# Altium PCB ArtistV1.0.PcbDoc (part 1 of 2)
Units mil, origin at the board's own origin, x right, y up, seen from the top; angles counter-clockwise.
Board outline 3855.44 x 3150 mil, 2 copper layers (Top, Bottom); 115 components, 178 nets, 596 pads, 178 vias.
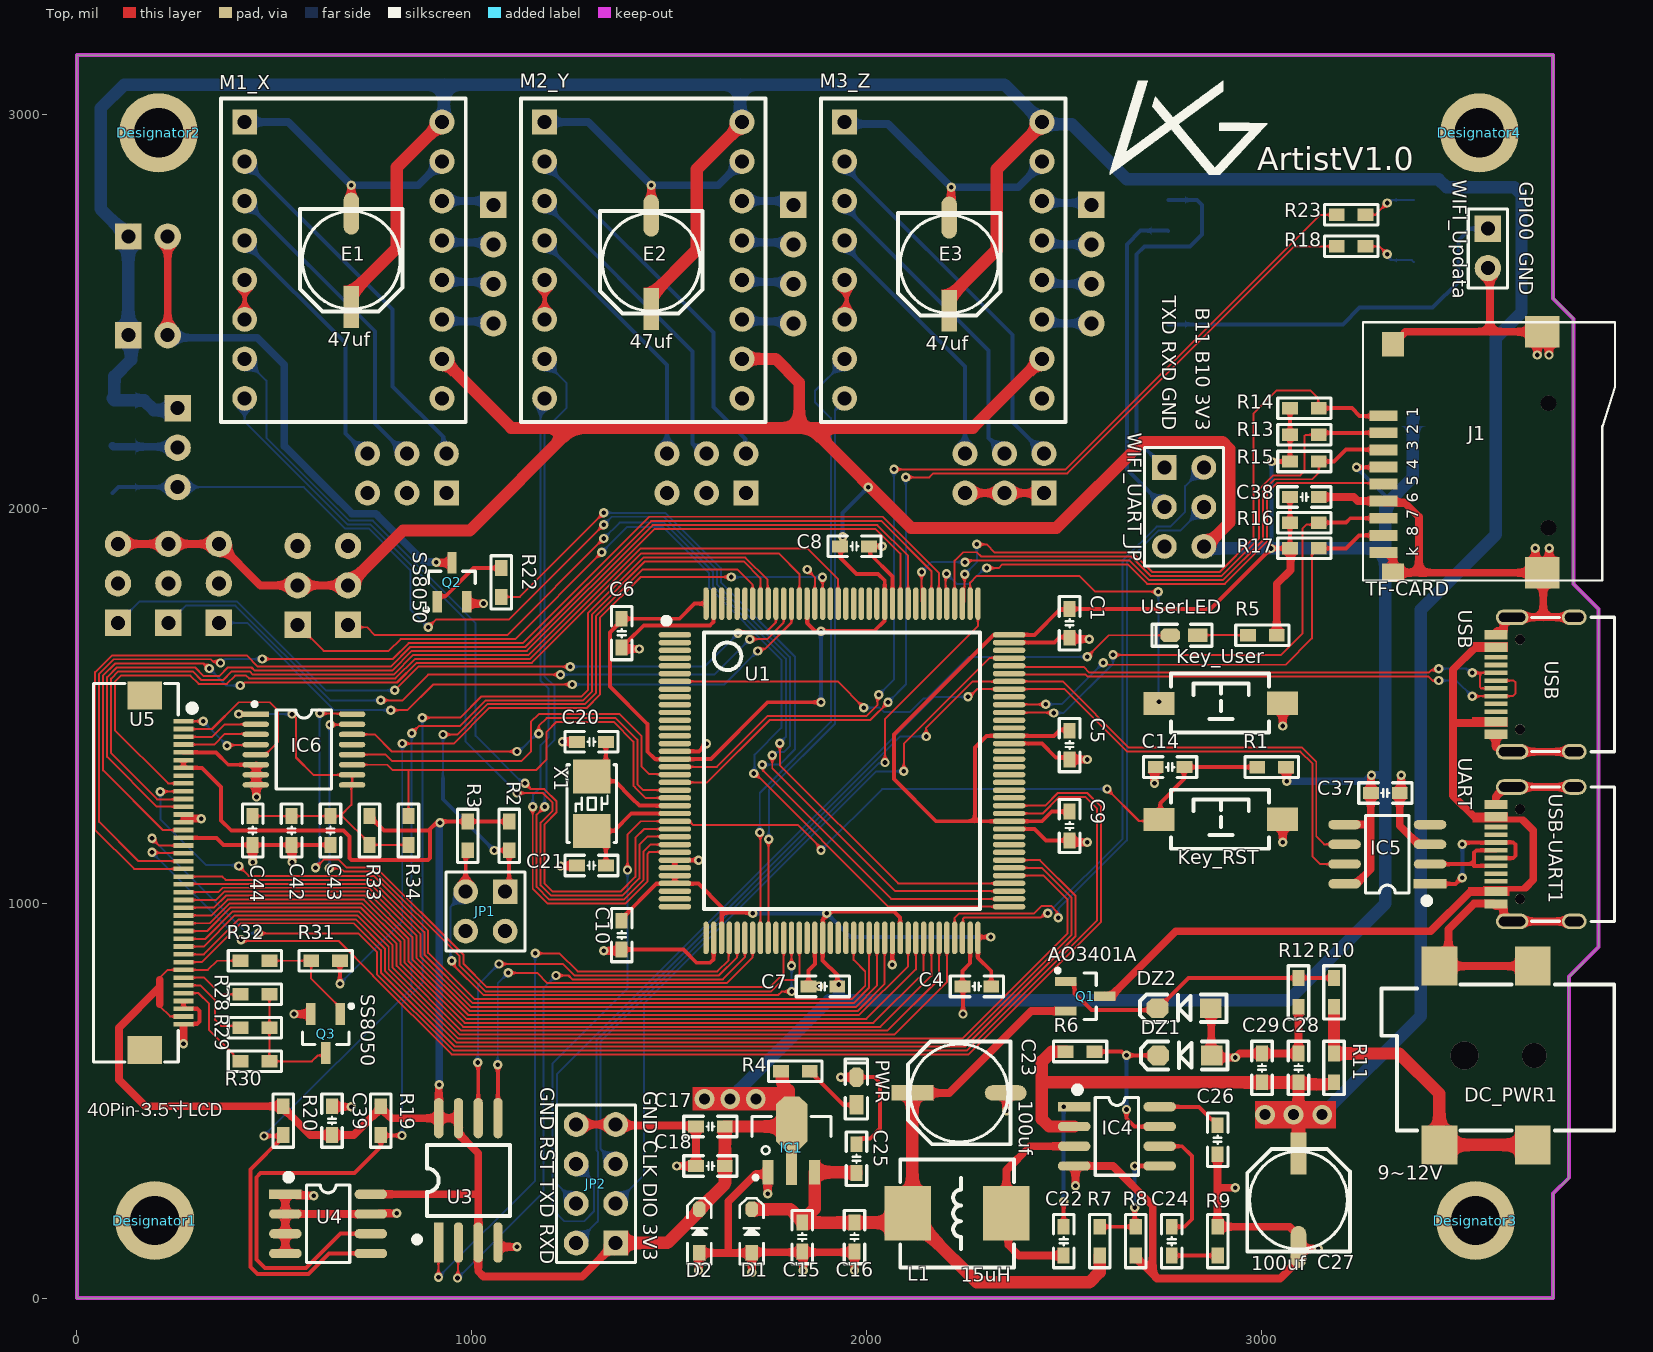
[diagram p0: Top view]
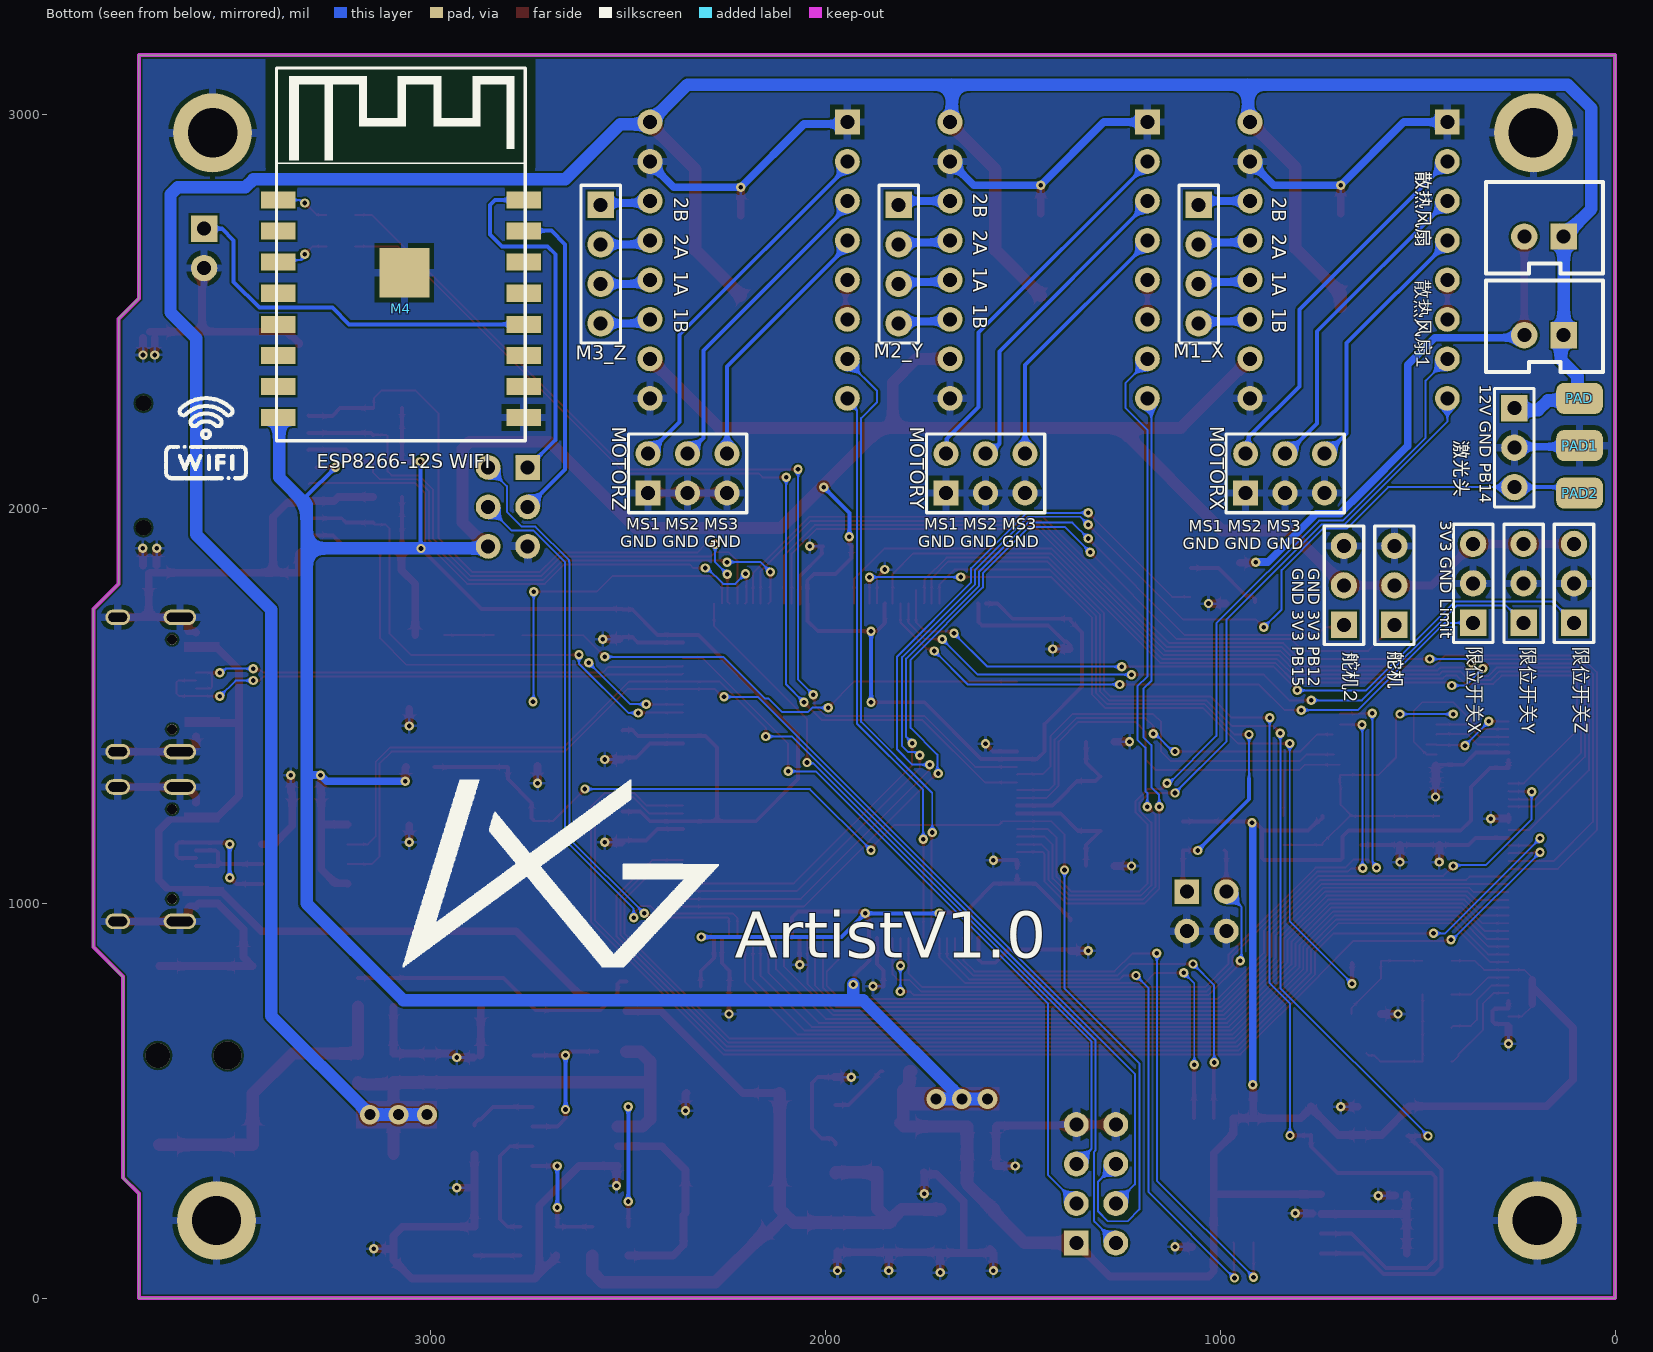
[diagram p1: Bottom view, seen from below]

## Layer stack, top to bottom
Top Solder: solder mask 0.3937, Solder Resist, Dk 3.5
Top: signal copper 1.4173
Dielectric 1: dielectric 12.5984, FR-4, Dk 4.8
Bottom: signal copper 1.4173
Bottom Solder: solder mask 0.3937, Solder Resist, Dk 3.5

## Board outline
0,0 0,3149.61 3740.16,3149.61 3740,3150 3740,2535 3740.35,2532.76 3791.7,2481.41 3791.7,1809.85 3855.44,1746.11 3855.44,889.98 3780.19,814.73 3780.19,305.19 3740,265 3740,0

## Design rules (kind name [scope] priority, off if disabled: settings)
Clearance [All] p1: gap=5 ignorepadtopadclearanceinfootprint=FALSE
PlaneClearance [All] p1: clearance=39.37
PlaneConnect PlaneConnect_1 [All] p1: planeconnectstyle=Relief reliefexpansion=20 reliefentries=4 reliefconductorwidth=10 reliefairgap=10
PolygonConnect [All] p1: thpad.connectstyle=Relief thpad.reliefconductorwidth=19.68 thpad.reliefentries=4 thpad.polygonreliefangle="90 Angle" thpad.airgapwidth=11.81 smdpad.connectstyle=Relief smdpad.reliefconductorwidth=19.68 smdpad.reliefentries=4 smdpad.polygonreliefangle="90 Angle" smdpad.airgapwidth=11.81 via.connectstyle=Relief via.reliefconductorwidth=7.87 via.reliefentries=4 via.polygonreliefangle="90 Angle" via.airgapwidth=7.87
RoutingVias [All] p1: holewidth=11.81 width=23.62 viastyle="Through Hole" minholewidth=11.81 minwidth=23.62 maxholewidth=28 maxwidth=118.11
SolderMaskExpansion [All] p1: expansion=4 istentingtop=FALSE
Width GND [InNetClass('GND')] p1: maxlimit=31.5 minlimit=5 preferedwidth=19.68
Width PWR [InNetClass('PWR')] p2: maxlimit=31.5 minlimit=5 preferedwidth=19.68
Width SINGAL [All] p3: maxlimit=10 minlimit=5 preferedwidth=5
28 further rules are at their usual default settings.

## Classes and differential pairs
net class PWR: 3V3 5V 5V_USB 12V 12V_IN FMC_3V3 NetC22_1 NetM1_11 NetM1_12 NetM1_13 NetM1_14 NetM2_11 NetM2_12 NetM2_13 NetM2_14 NetM3_11 NetM3_12 NetM3_13 NetM3_14
net class GND: FAN_GND GND
component class screen: C42 C43 C44 IC6 Q3 R28 R29 R30 R31 R32 R33 R34 U5
component class POWER: C1 C4 C5 C6 C7 C8 C9 C10 C15 C16 C17 C18 C22 C23 C24 C25 C26 C27 C28 C29 D1 D2 DC_PWR1 DZ1 DZ2 IC1 IC4 L1 Q1 R6 R7 R8 R9 R10 R11 R12
component class MOTORs: E1 E2 E3 M1_X M2_Y M3_Z MOTORX MOTORY MOTORZ PAD PAD1 PAD2 Q2 R22 散热风扇 散热风扇1 激光头 舵机 限位开关X 限位开关Y 限位开关Z
component class MCU: C14 C20 C21 JP1 Key_RST Key_User PWR R1 R2 R3 R4 R5 U1 UserLED X1
component class Interface: C37 C38 IC5 J1 JP2 R13 R14 R15 R16 R17 USB USB-UART1
component class IC: C39 R19 R20 U3 U4
component class ESP-12S: "GPIO0  GND" M4 R18 R23 WIFI_UART_JP

## Components (designator, comment, footprint, x,y, rotation, side; value= is the part's Value field where it differs from the comment)
C1 "0.1uF" "C 0603_M" 2515,1710 r90 top
C4 "0.1uF" "C 0603_M" 2280,790 r0 top
C5 "0.1uF" "C 0603_M" 2515,1401.5 r90 top
C6 "0.1uF" "C 0603_M" 1380,1685 r90 top
C7 "0.1uF" "C 0603_M" 1890,790 r0 top
C8 "0.1uF" "C 0603_M" 1970,1905 r180 top
C9 "0.1uF" "C 0603_M" 2515,1196.5 r90 top
C10 "0.1uF" "C 0603_M" 1380,920 r90 top
C14 "0.1uF" "C 0603_M" 2769.74,1345.72 r0 top
C15 "0.1uF" "C 0603_M" 1837.83,155 r270 top
C16 "10uF" "C 0603_M" 1970,155 r270 top
C17 "0.1uF" "C 0603_M" 1605,435 r180 top
C18 "10uF" "C 0603_M" 1605,335 r180 top
C20 "20pF" "C 0603_M" 1303.6,1409.51 r180 top
C21 "20pF" "C 0603_M" 1303.6,1096.42 r180 top
C22 "10nF" "C 0603_M" 2500,144.5 r90 top
C23 "100uF/16V" "CM D(6.3*5.4)" 2235,520 r180 top
C24 "3.3nF" "C 0603_M" 2773.75,144.5 r90 top
C25 "22uF" "C 0603_M" 1975,353.5 r270 top
C26 "0.1uF" "C 0603_M" 2890,401.5 r90 top
C27 "100uF/16V" "CM D(6.3*5.4)" 3095,248.26 r90 top
C28 "0.1uF" "C 0603_M" 3095,583.42 r270 top
C29 "10uF" "C 0603_M" 3002.5,583.42 r270 top
C37 "0.1uF" "C 0603_M" 3315,1280 r180 top
C38 "0.1uF" "C 0603_M" 3110,2030 r0 top
C39 "0.1uF" "C 0603_M" 646.31,450 r90 top
C42 "10uF" "C 0603_M" 543.75,1185 r90 top
C43 "0.1uF" "C 0603_M" 642.5,1185 r90 top
C44 "0.1uF" "C 0603_M" 445,1185 r270 top
D1 "CESD5V0D3/丝印ZA" SOD-323 1709.17,170 r90 top
D2 "CESD5V0D3/丝印ZA" SOD-323 1577,170 r90 top
DC_PWR1 "DC_050_5.5*2.1" DC-050 3515,615 r180 top
Designator1 "Comment" "M3 125X200"#1 -10,0 r0 top
Designator2 "Comment" "M3 125X200"#2 0,3149.61 r0 top locked
Designator3 "Comment" "M3 125X200"#3 3730.16,0 r0 top
Designator4 "Comment" "M3 125X200"#4 3740.16,3149.61 r0 top locked
DZ1 "MMSZ5231BT1G 丝印E1" SOD-123 2807.5,614.92 r180 top
DZ2 "MMSZ5231BT1G 丝印E1" SOD-123 2805,735 r180 top
E1 "47uF" "CM D(6.3*5.4)" 695,2630 r270 top
E2 "47uF" "CM D(6.3*5.4)" 1455,2625 r270 top
E3 "47uF" "CM D(6.3*5.4)" 2210,2620 r270 top
"GPIO0  GND" "HDR-1X2" HDR2.54-LI-2P 3575,2660 r270 top (schematic designator WIFI_Download_Con)
IC1 "CJA1117" SOT89_M 1810,400 r0 top
IC4 "MP2303" SOP8_M 2635,410 r0 top
IC5 "CH340N" SOP8_M 3320,1125 r180 top
IC6 "XTP2046" TSSOP16_M 575,1390 r0 top
J1 "MICRO SD CARD CONNECTOR" "Micro SD" 3728.39,2110 r90 top
JP1 "Header2X2" HDR2.54-LI-2x2P 1035,980 r180 top
JP2 "SWD&UART" HDR2.54-LI-2x4P 1315,290 r90 top
Key_RST "KEY-2P" "TSW SMD-3*6*2.5" 2898.92,1213.53 r0 top
Key_User "KEY-2P" "TSW SMD-3*6*2.5" 2898.92,1507.74 r0 top
L1 "15uH" L-SMD-0630 2230,215 r180 top
M1_X "HDR-1X4" HDR2.54-LI-4P 1055,2620 r270 bottom (schematic designator MOTOR_1JP)
M1_X "A4988" DRV8825 675,2630 r0 top (schematic designator M1)
M2_Y "HDR-1X4" HDR2.54-LI-4P 1815,2620 r270 bottom (schematic designator MOTOR_1)
M2_Y "A4988" DRV8825 1435,2630 r0 top (schematic designator M2)
M3_Z "HDR-1X4" HDR2.54-LI-4P 2570,2620 r270 bottom (schematic designator MOTOR_2)
M3_Z "A4988" DRV8825 2195,2630 r0 top (schematic designator M3)
M4 "ESP-12S Module" "ESP-12S Module" 3076.02,2506.89 r180 bottom
MOTORX "Header3X2" HDR2.54-LI-2x3P 836.06,2090 r180 bottom (schematic designator MOTOR1_MS)
MOTORY "Header3X2" HDR2.54-LI-2x3P 1595,2090 r180 bottom (schematic designator MOTOR1)
MOTORZ "Header3X2" HDR2.54-LI-2x3P 2350,2090 r180 bottom (schematic designator MOTOR2)
PAD "焊盘2mm*3mm" PAD-2mm*3mm 90,2280 r270 bottom
PAD1 "焊盘2mm*3mm" PAD-2mm*3mm 90,2160 r270 bottom
PAD2 "焊盘2mm*3mm" PAD-2mm*3mm 90,2040 r90 bottom
PWR "LED" "LED 0603R" 1975,525 r90 top
Q1 "AO3401A 丝印X1" SOT23-3M 2505,765 r270 top
Q2 "SS8050" SOT23-3M 950,1764.41 r0 top
Q3 "SS8050" SOT23-3M 630,720 r180 top
R1 "1K" "R 0603_M" 3027.07,1345.72 r180 top
R2 "10K" "R 0603_M" 1095,1171.5 r90 top
R3 "10K" "R 0603_M" 990,1171.5 r90 top
R4 "2K" "R 0603_M" 1820,575 r180 top
R5 "1K" "R 0603_M" 3003.5,1680 r0 top
R6 "4.7K" "R 0603_M" 2541.5,624.92 r180 top
R7 "27K" "R 0603_M" 2591.25,144.5 r90 top
R8 "5.1K" "R 0603_M" 2682.5,144.5 r90 top
R9 "10K" "R 0603_M" 2890,144.5 r270 top
R10 "4.7K" "R 0603_M" 3185,775 r270 top
R11 "0R" "R 0603_M" 3185,583.42 r270 top
R12 "10K" "R 0603_M" 3095,775 r90 top
R13 "10K" "R 0603_M" 3110,2187.5 r0 top
R14 "10K" "R 0603_M" 3110,2255 r0 top
R15 "10K" "R 0603_M" 3110,2120 r0 top
R16 "10K" "R 0603_M" 3110,1965 r0 top
R17 "10K" "R 0603_M" 3110,1900 r0 top
R18 "1K" "R 0603_M" 3228.5,2665 r180 top
R19 "4.7K" "R 0603_M" 770,450 r90 top
R20 "4.7K" "R 0603_M" 522.61,450 r90 top
R22 "1K" "R 0603_M" 1075,1813.5 r90 top
R23 "1K" "R 0603_M" 3228.5,2745 r180 top
R28 "10R" "R 0603_M" 450.97,770 r180 top
R29 "10R" "R 0603_M" 450.97,685 r180 top
R30 "10R" "R 0603_M" 450.97,600 r180 top
R31 "1K" "R 0603_M" 630,855 r180 top
R32 "10K" "R 0603_M" 450.97,855 r0 top
R33 "10R" "R 0603_M" 741.25,1185 r270 top
R34 "100K" "R 0603_M" 840,1185 r270 top
U1 "STM32F103ZE_ZGT6" "TQFP144 20x20_M" 1938.37,1336.42 r270 top
U3 "W25Q64" SOP8W_M 991.68,298.72 r90 top
U4 "AT24C04" SOP8_M 636.22,188.43 r0 top
U5 "3.5寸LCD裸屏接口 40PIN-0.5MM FPC" "FPC0.5 2H-WS-40P" 171.69,1077.99 r270 top
USB "Type-C" Type-C 3694.43,1555 r0 top
USB-UART1 "Type-C" Type-C 3694.43,1125 r0 top
UserLED "LED" "LED 0603B" 2805,1680 r180 top
WIFI_UART_JP "Header3X2" HDR2.54-LI-2x3P 2805,2005 r270 top
X1 "8MHz" "OSC 5032-2P" 1304.23,1253.01 r270 top
散热风扇 "HDR-1X2" XH2.54-LI-2P 180,2690 r0 bottom
散热风扇1 "HDR-1X2" XH2.54-LI-2P 180,2440 r0 bottom
激光头 "HDR-1X3" HDR2.54-LI-3P 255,2155 r270 bottom
舵机 "HDR-1X3" HDR2.54-LI-3P 558.94,1806.06 r90 bottom
舵机2 "HDR-1X3" HDR2.54-LI-3P 686.81,1806.06 r90 bottom
限位开关X "HDR-1X3" HDR2.54-LI-3P 359.68,1811.06 r90 bottom (schematic designator 限位开关)
限位开关Y "HDR-1X3" HDR2.54-LI-3P 231.81,1811.06 r90 bottom (schematic designator 限位开关1)
限位开关Z "HDR-1X3" HDR2.54-LI-3P 103.94,1811.06 r90 bottom (schematic designator 限位开关2)

## Footprints (in the part's own frame and the unit in brackets; to place one, negate y for a bottom-side part, rotate by r counter-clockwise, add the part's x,y. Pads: shape width x height; smd on the part's side, far side on the other; paste and mask are expansions set on the pad)
"C 0603_M" [mil] "无极性贴片电容"
  rect 40x30 smd: 1(-36.5,0) 2(36.5,0)
  silkscreen extent -68,-26 68,26, body extent -31,-16 31,16, height 32
"CM D(6.3*5.4)" [mm] "贴片电解电容，直径6.3mm，高5.4mm"
  rect 2.7x1 smd: 1(3,0)
  oval 2.7x1 smd: 2(-3,0)
  silkscreen extent -3.3,-3.3 3.3,3.3, body extent -3.5,-3.3 3.5,3.3, height 5.4
DC-050 [mm] "5.5*2.1"
  rect 2.3x2.5 smd: 1(-4.4,5.75) 1(1.6,5.75) 2(1.6,-5.75) 3(-4.4,-5.75)
  silkscreen extent -9.65,-4.57 5.33,4.83, body extent -9.5,-6.3 5.3,6.3, height 11
DRV8825 [mm] "长:20.5mm，宽:15.5mm，高:5mm"
  rect 1.6x1.6 hole 0.9: 1(-6.35,8.89)
  round 1.6 hole 0.9: 2(-6.35,6.35) 3(-6.35,3.81) 4(-6.35,1.27) 5(-6.35,-1.27) 6(-6.35,-3.81) 7(-6.35,-6.35) 8(-6.35,-8.89) 9(6.35,-8.89) 10(6.35,-6.35) 11(6.35,-3.81) 12(6.35,-1.27) 13(6.35,1.27) 14(6.35,3.81) 15(6.35,6.35) 16(6.35,8.89)
  silkscreen extent -7.87,-10.41 7.87,10.41, body extent -7.75,-10.25 7.75,10.25, height 5.71
"ESP-12S Module" [mm]
  rect 2.2x1.1 smd: 1(-7.9,7) 2(-7.9,5) 3(-7.9,3) 4(-7.9,1) 5(-7.9,-1) 6(-7.9,-3) 7(-7.9,-5) 8(-7.9,-7) 9(7.9,-7) 10(7.9,-5) 11(7.9,-3) 12(7.9,-1) 13(7.9,1) 14(7.9,3) 15(7.9,5) 16(7.9,7)
  rect 3.2x3.2 smd: 17(0.22,2.321)
  silkscreen extent -8,-8.5 8,15.5
"FPC0.5 2H-WS-40P" [mm] "长：24.2mm，宽：5.2mm，高：2mm"
  rect 1.8x2.2 smd: 0(-11.4,0) 0(11.4,0)
  rect 0.3x1.3 smd: 1(-9.75,2.497) 2(-9.25,2.497) 3(-8.75,2.497) 4(-8.25,2.497) 5(-7.75,2.497) 6(-7.25,2.497) 7(-6.75,2.497) 8(-6.25,2.497) 9(-5.75,2.497) 10(-5.25,2.497) 11(-4.75,2.497) 12(-4.25,2.497) 13(-3.75,2.497) 14(-3.25,2.497) 15(-2.75,2.497) 16(-2.25,2.497) 17(-1.75,2.497) 18(-1.25,2.497) 19(-0.75,2.497) 20(-0.25,2.497) 21(0.25,2.497) 22(0.75,2.497) 23(1.25,2.497) 24(1.75,2.497) 25(2.25,2.497) 26(2.75,2.497) 27(3.25,2.497) 28(3.75,2.497) 29(4.25,2.497) 30(4.75,2.497) 31(5.25,2.497) 32(5.75,2.497) 33(6.25,2.497) 34(6.75,2.497) 35(7.25,2.497) 36(7.75,2.497) 37(8.25,2.497) 38(8.75,2.497) 39(9.25,2.497) 40(9.75,2.497)
  silkscreen extent -12.17,-3.3 12.17,3.23, body extent -12.1,-3.15 12.1,2.85, height 2
HDR2.54-LI-2P [mm] "排针，2脚"
  rect 1.7x1.7 hole 0.9: 1(-1.27,0)
  round 1.7 hole 0.9: 2(1.27,0)
  silkscreen extent -2.54,-1.27 2.54,1.27, body extent -2.54,-1.27 2.54,1.27, height 8.5
HDR2.54-LI-2x2P [mm] "双排排针，2x2脚"
  rect 1.6x1.6 hole 0.9: 1(-1.27,-1.27)
  round 1.6 hole 0.9: 2(-1.27,1.27) 3(1.27,-1.27) 4(1.27,1.27)
  silkscreen extent -2.54,-2.54 2.54,2.54, body extent -2.54,-2.54 2.54,2.54, height 8.5
HDR2.54-LI-2x3P [mm] "双排排针，3x2脚"
  rect 1.6x1.6 hole 0.9: 1(-2.54,-1.27)
  round 1.6 hole 0.9: 2(-2.54,1.27) 3(0,-1.27) 4(0,1.27) 5(2.54,-1.27) 6(2.54,1.27)
  silkscreen extent -3.81,-2.54 3.81,2.54, body extent -3.81,-2.54 3.81,2.54, height 8.5
HDR2.54-LI-2x4P [mm] "双排排针，4x2脚"
  rect 1.6x1.6 hole 0.9: 1(-3.81,-1.27)
  round 1.6 hole 0.9: 2(-3.81,1.27) 3(-1.27,-1.27) 4(-1.27,1.27) 5(1.27,-1.27) 6(1.27,1.27) 7(3.81,-1.27) 8(3.81,1.27)
  silkscreen extent -5.08,-2.54 5.08,2.54, body extent -5.08,-2.54 5.08,2.54, height 8.5
HDR2.54-LI-3P [mm] "排针，3脚"
  rect 1.7x1.7 hole 0.9: 1(-2.54,0)
  round 1.7 hole 0.9: 2(0,0) 3(2.54,0)
  silkscreen extent -3.81,-1.27 3.81,1.27, body extent -3.81,-1.27 3.81,1.27, height 8.5
HDR2.54-LI-4P [mm] "排针，4脚"
  rect 1.7x1.7 hole 0.9: 1(-3.81,0)
  round 1.7 hole 0.9: 2(-1.27,0) 3(1.27,0) 4(3.81,0)
  silkscreen extent -5.08,-1.27 5.08,1.27, body extent -5.08,-1.27 5.08,1.27, height 8.5
L-SMD-0630 [mm] "一体化成型电感"
  rect 3x3.5 smd: 1(-3.175,0) 2(3.175,0)
  silkscreen extent -3.66,-3.48 3.66,3.48, body extent -3.47,-3.3 3.47,3.3, height 3.05
"LED 0603B" [mil] "蓝色0603LED"
  rect 50x35 smd: 1(-35,0.26)
  oct 50x35 smd: 2(35,0.26)
  silkscreen extent -71,-28 81,28, body extent -31,-16 32,16, height 24
"LED 0603R" [mil] "红色0603LED"
  rect 50x35 smd: 1(-35,0.26)
  oct 50x35 smd: 2(35,0.26)
  silkscreen extent -71,-28 81,28, body extent -31,-16 31,16, height 18
"M3 125X200"#1 [mm] "M3螺丝孔，孔125Mil，焊盘200Mil"
  round 5.08 hole 3.175: 1(5.254,5)
"M3 125X200"#2 [mm] "M3螺丝孔，孔125Mil，焊盘200Mil"
  round 5.08 hole 3.175: 1(5.254,-5)
"M3 125X200"#3 [mm] "M3螺丝孔，孔125Mil，焊盘200Mil"
  round 5.08 hole 3.175: 1(-4.746,5)
"M3 125X200"#4 [mm] "M3螺丝孔，孔125Mil，焊盘200Mil"
  round 5.08 hole 3.175: 1(-4.746,-5)
"Micro SD" [mm]
  round 1 hole 1 unplated: 0(-4,0) 0(4,0)
  rect 0.7x1.8 smd: 1(3.2,10.627) 2(2.1,10.627) 3(1,10.627) 4(-0.1,10.627) 5(-1.2,10.627) 6(-2.3,10.627) 7(-3.4,10.627) 8(-4.5,10.627) 9(-5.6,10.627)
  rect 1.2x1.4 smd: 10(-6.9,10)
  rect 1.6x1.4 smd: 11(7.8,10)
  rect 2.032x2.2 smd: 12(-6.9,0.4) 13(8.6,0.4)
  silkscreen extent -7.4,-4.28 9.2,11.94, body extent -7.26,-4.03 9.04,11.18, height 2.13
"OSC 5032-2P" [mm] "5mm*3.2mm*0.8mm(长*宽*高)"
  rect 2.2x2.4 smd: 1(-1.75,0) 2(1.75,0)
  silkscreen extent -2.5,-1.6 2.5,1.6, body extent -2.5,-1.6 2.5,1.6, height 0.86
PAD-2mm*3mm [mm] "焊盘 2mm*3mm"
  rrect50% 2x3 smd paste-222 mask+0.102: 1(0,0)
"R 0603_M" [mil] "1/10W贴片电阻"
  rect 40x31.5 smd: 1(-36.5,0) 2(36.5,0)
  silkscreen extent -68,-26 68,26, body extent -31,-16 32,16, height 16
SOD-123 [mil] "2.7x1.6X1.1mm（长宽高，不包括引脚）"
  rect 55x50 smd: 1(-67.5,0)
  oct 55x50 smd: 2(67.5,0)
  silkscreen extent -108,-35 112,35, body extent -73,-31 73,31, height 48
SOD-323 [mm] "1.8x1.3X0.9mm（长宽高，不包括引脚）"
  rect 1x0.8 smd: 1(-1.4,0)
  oct 1x0.8 smd: 2(1.4,0)
  silkscreen extent -2.11,-0.76 2.11,0.76, body extent -1.34,-0.63 1.31,0.67, height 1
SOP8_M [mm] "5*6*1.8mm（长宽高）"
  rect 2.1x0.6 smd: 1(-2.75,1.905)
  oval 2.1x0.6 smd: 2(-2.75,0.635) 3(-2.75,-0.635) 4(-2.75,-1.905) 5(2.75,-1.905) 6(2.75,-0.635) 7(2.75,0.635) 8(2.75,1.905)
  silkscreen extent -2.69,-2.5 1.4,3.15, body extent -3,-2.5 3,2.5, height 1.9
SOP8W_M [mm] "5.3*8.3*1.8mm（长宽高）"
  rect 2.6x0.6 smd: 1(-4,1.905)
  oval 2.6x0.6 smd: 2(-4,0.635) 3(-4,-0.635) 4(-4,-1.905) 5(4,-1.905) 6(4,-0.635) 7(4,0.635) 8(4,1.905)
  silkscreen extent -3.94,-2.67 2.29,3.43, body extent -3.94,-2.64 3.94,2.64, height 1.9
SOT23-3M [mm] "3x1.3x1mm(长宽高)"
  rect 0.6x1.4 smd: 1(-0.95,0) 2(0.95,0) 3(0,2.514)
  silkscreen extent -1.78,-0.63 1.5,1.97, body extent -1.5,0.07 1.5,2.47, height 1.05
SOT89_M [mm] "4.6x4.3x1.6mm(长宽高)"
  rect 0.7x1.6 smd: 1(-1.5,-2.054) 3(1.5,-2.054)
  rect 0.7x2.4 smd: 2(0,-1.676)
  oct 2x3.4 smd: 2(0.025,1.118)
  silkscreen extent -2.54,-2.52 2.54,1.52, body extent -2.3,-2.4 2.3,1.9, height 1.6
"TQFP144 20x20_M" [mm] "144脚，体宽：20x20mm, 脚距：0.5mm"
  oval 0.35x2.1 smd: 1(-8.75,-10.754) 2(-8.25,-10.754) 3(-7.75,-10.754) 4(-7.25,-10.754) 5(-6.75,-10.754) 6(-6.25,-10.754) 7(-5.75,-10.754) 8(-5.25,-10.754) 9(-4.75,-10.754) 10(-4.25,-10.754) 11(-3.75,-10.754) 12(-3.25,-10.754) 13(-2.75,-10.754) 14(-2.25,-10.754) 15(-1.75,-10.754) 16(-1.25,-10.754) 17(-0.75,-10.754) 18(-0.25,-10.754) 19(0.25,-10.754) 20(0.75,-10.754) 21(1.25,-10.754) 22(1.75,-10.754) 23(2.25,-10.754) 24(2.75,-10.754) 25(3.25,-10.754) 26(3.75,-10.754) 27(4.25,-10.754) 28(4.75,-10.754) 29(5.25,-10.754) 30(5.75,-10.754) 31(6.25,-10.754) 32(6.75,-10.754) 33(7.25,-10.754) 34(7.75,-10.754) 35(8.25,-10.754) 36(8.75,-10.754) 73(8.75,10.754) 74(8.25,10.754) 75(7.75,10.754) 76(7.25,10.754) 77(6.75,10.754) 78(6.25,10.754) 79(5.75,10.754) 80(5.25,10.754) 81(4.75,10.754) 82(4.25,10.754) 83(3.75,10.754) 84(3.25,10.754) 85(2.75,10.754) 86(2.25,10.754) 87(1.75,10.754) 88(1.25,10.754) 89(0.75,10.754) 90(0.25,10.754) 91(-0.25,10.754) 92(-0.75,10.754) 93(-1.25,10.754) 94(-1.75,10.754) 95(-2.25,10.754) 96(-2.75,10.754) 97(-3.25,10.754) 98(-3.75,10.754) 99(-4.25,10.754) 100(-4.75,10.754) 101(-5.25,10.754) 102(-5.75,10.754) 103(-6.25,10.754) 104(-6.75,10.754) 105(-7.25,10.754) 106(-7.75,10.754) 107(-8.25,10.754) 108(-8.75,10.754)
  oval 2.1x0.35 smd: 37(10.754,-8.75) 38(10.754,-8.25) 39(10.754,-7.75) 40(10.754,-7.25) 41(10.754,-6.75) 42(10.754,-6.25) 43(10.754,-5.75) 44(10.754,-5.25) 45(10.754,-4.75) 46(10.754,-4.25) 47(10.754,-3.75) 48(10.754,-3.25) 49(10.754,-2.75) 50(10.754,-2.25) 51(10.754,-1.75) 52(10.754,-1.25) 53(10.754,-0.75) 54(10.754,-0.25) 55(10.754,0.25) 56(10.754,0.75) 57(10.754,1.25) 58(10.754,1.75) 59(10.754,2.25) 60(10.754,2.75) 61(10.754,3.25) 62(10.754,3.75) 63(10.754,4.25) 64(10.754,4.75) 65(10.754,5.25) 66(10.754,5.75) 67(10.754,6.25) 68(10.754,6.75) 69(10.754,7.25) 70(10.754,7.75) 71(10.754,8.25) 72(10.754,8.75) 109(-10.754,8.75) 110(-10.754,8.25) 111(-10.754,7.75) 112(-10.754,7.25) 113(-10.754,6.75) 114(-10.754,6.25) 115(-10.754,5.75) 116(-10.754,5.25) 117(-10.754,4.75) 118(-10.754,4.25) 119(-10.754,3.75) 120(-10.754,3.25) 121(-10.754,2.75) 122(-10.754,2.25) 123(-10.754,1.75) 124(-10.754,1.25) 125(-10.754,0.75) 126(-10.754,0.25) 127(-10.754,-0.25) 128(-10.754,-0.75) 129(-10.754,-1.25) 130(-10.754,-1.75) 131(-10.754,-2.25) 132(-10.754,-2.75) 133(-10.754,-3.25) 134(-10.754,-3.75) 135(-10.754,-4.25) 136(-10.754,-4.75) 137(-10.754,-5.25) 138(-10.754,-5.75) 139(-10.754,-6.25) 140(-10.754,-6.75) 141(-10.754,-7.25) 142(-10.754,-7.75) 143(-10.754,-8.25) 144(-10.754,-8.75)
  silkscreen extent -9.78,-11.43 8.89,8.89, body extent -11,-11 11,11, height 1.05
TSSOP16_M [mm] "5*6.4*1mm（长宽高）"
  rect 1.7x0.35 smd: 1(-3.1,2.275)
  oval 1.7x0.35 smd: 2(-3.1,1.625) 3(-3.1,0.975) 4(-3.1,0.325) 5(-3.1,-0.325) 6(-3.1,-0.975) 7(-3.1,-1.625) 8(-3.1,-2.275) 9(3.1,-2.275) 10(3.1,-1.625) 11(3.1,-0.975) 12(3.1,-0.325) 13(3.1,0.325) 14(3.1,0.975) 15(3.1,1.625) 16(3.1,2.275)
  silkscreen extent -3.3,-2.54 1.78,3.05, body extent -3.2,-2.5 3.2,2.5, height 1.03
"TSW SMD-3*6*2.5" [mm] "3*6*2.5mm"
  rect 2x1.5 smd: 1(-3.996,-0.02) 2(3.937,0)
  silkscreen extent -3.21,-1.9 3.09,1.9, body extent -4,-1.88 4,1.62, height 2.59
Type-C [mm]
  round 0.65 hole 0.65: 0(-0.98,-2.89) 0(-0.98,2.89)
  oval 1.6x1 hole 0.6 slot 1.2 at 0 deg: 1(2.52,4.325) 2(2.52,-4.325)
  oval 2.1x1 hole 0.6 slot 1.7 at 0 deg: 3(-1.48,-4.325) 4(-1.48,4.325)
  rect 1.5x0.3 smd: A1(-2.52,-3.35) A4(-2.52,-2.55) A5(-2.52,-1.25) A6(-2.52,-0.25) A7(-2.52,0.25) A8(-2.52,1.25) A9(-2.52,2.55) A12(-2.52,3.35) B1(-2.52,3.05) B4(-2.52,2.25) B5(-2.52,1.75) B6(-2.52,0.75) B7(-2.52,-0.75) B8(-2.52,-1.75) B9(-2.52,-2.25) B12(-2.52,-3.05)
  silkscreen extent -0.22,-4.33 5.12,4.33, body extent -2.43,-4.53 5.32,4.42, height 3.32
XH2.54-LI-2P [mm] "接插件，2P"
  rect 1.7x1.7 hole 0.9: 1(-1.27,0)
  round 1.7 hole 0.9: 2(1.27,0)
  silkscreen extent -3.81,-3.51 3.74,2.37, body extent -3.77,-3.3 3.77,2.4, height 7.05

## Part data
C1 C4 C5 C6 C7 C8 C9 C10 C14 C15 C16 C17 C18 C20 C21 C38 C39: library part CAP, "Capacitor"
C22 C24 C25 C26 C28 C29 C37 C42 C43 C44: library part C, "无极性贴片电容", BOM名称=无极性贴片电容, 版权归属=源创客, 学习资源=www.ooocke.com
C23 C27 E1 E2 E3: library part C-CM, "贴片电解电容", BOM名称=贴片电解电容, 版权归属=源创客, 学习资源=www.ooocke.com
D1 D2: library part TVS
DC_PWR1: library part P-DC, "低压电源接口", BOM名称=DC电源接口, 版权归属=源创客, 学习资源=www.ooocke.com
DZ1 DZ2: library part 1N4625, "5.1V/0.5W稳压管", BOM名称=5.1V/0.5W稳压管, 版权归属=源创客, 学习资源=www.ooocke.com
"GPIO0  GND" 散热风扇 散热风扇1: library part "Header 2", "2P接插件", BOM名称=2P接插件, 版权归属=源创客, 学习资源=www.ooocke.com
IC5: "USB 转串口芯片 CH330/CH340N"
IC6: library part TSC2046IPW, "显示屏触摸驱动芯片", BOM名称=触摸驱动芯片, 版权归属=源创客, 学习资源=www.ooocke.com
J1: "Micro SD Card Connector"
JP1: library part "Header 2X2", "2*2P接插件", BOM名称=2*2P接插件, 版权归属=源创客, 学习资源=www.ooocke.com
JP2: library part "Header 4X2", "4*2P接插件", BOM名称=4*2P接插件, 版权归属=源创客, 学习资源=www.ooocke.com
Key_RST Key_User: "Key"
L1: library part L, "小功率贴片电感", BOM名称=小功率贴片电感, 版权归属=源创客, 学习资源=www.ooocke.com
M1_X M2_Y M3_Z: library part "Header 4", "4P接插件", BOM名称=4P接插件, 版权归属=源创客, 学习资源=www.ooocke.com
M1_X M2_Y M3_Z: library part A4988_MODEL, "A4988 步进电机驱动"
MOTORX MOTORY MOTORZ WIFI_UART_JP: library part "Header 3X2", "3*2P接插件", BOM名称=3*2P接插件, 版权归属=源创客, 学习资源=www.ooocke.com
PAD PAD1 PAD2: "一般来接电源线之类的焊盘"
Q1: library part SI2301, "P沟道场效应管", BOM名称=P沟道场效应管, 版权归属=源创客, 学习资源=www.ooocke.com
Q2 Q3: library part 8050-SMD, "高频放大-NPN型", BOM名称=高频放大-NPN型, 版权归属=源创客, 属性="40V 1.5A 1W 100MHZ", 学习资源=www.ooocke.com
R1 R2 R3 R4 R5 R13 R14 R15 R16 R17 R18 R19 R20 R23: library part RES, "Resistor"
R6 R7 R8 R9 R10 R11 R12 R22 R28 R29 R30 R31 R32 R33 R34: library part R, "贴片电阻", BOM名称=贴片电阻, 版权归属=源创客, 学习资源=www.ooocke.com
U4: library part AT24Cxx, "EEPROM"
U5: "3.5寸LCD屏幕 40PIN-0.5MM FPC 接口"
X1: library part XTAL-2P, "2脚无源脚晶振", BOM名称=2脚无源脚晶振, 版权归属=源创客, 学习资源=www.ooocke.com
激光头 舵机 舵机2 限位开关X 限位开关Y 限位开关Z: library part "Header 3", "3P接插件", BOM名称=3P接插件, 版权归属=源创客, 学习资源=www.ooocke.com
U3: PCB DECAL=SO8WB

## Via types
v1: diameter 23.62, hole 11.81, Top to Bottom, 170 vias
v2: diameter 50, hole 28, Top to Bottom, 6 vias
v3: diameter 62.99, hole 62.99, Top to Bottom, 1 vias
v4: diameter 70.87, hole 70.87, Top to Bottom, 1 vias

## Nets (pads, with @x,y where several pads share a name; then routed paths per layer and width w, separated by ;. In a path a pad name is that pad's centre, name@x,y a point inside that pad or via, vN(x,y) a via of type N, cw(c..) or ccw(c..) an arc to the next point about the centre after c; other vN are vias at no path point)
3V3: C1.2 C4.2 C5.2 C6.2 C7.2 C8.2 C9.2 C10.2 C17.1 C18.1 C37.2 C38.1 C39.1 D2.2 IC1.2 IC5.5 IC5.8 J1.4 JP2.1 M1_X.10 M2_Y.10 M3_Z.10 M4.8 R1.1 R2.2 R3.2 R4.2 R5.2 R13.1 R14.1 R15.1 R16.1 R17.1 R19.2 R20.2 R32.1 R33.1 U1.17 U1.32 U1.33 U1.39 U1.52 U1.62 U1.72 U1.84 U1.95 U1.108 U1.121 U1.131 U1.144 U3.3 U3.7 U3.8 U4.8 U5.6 U5.7 U5.33 U5.39 WIFI_UART_JP.6 舵机2.2 舵机.2 限位开关X.3 限位开关Y.3 限位开关Z.3 | length 21737.2
  Top w5: 210,744.9 210,740 236.18,713.82 U5.39@270,713.82 ; 210,806.99 210,812.07 229.86,831.93 U5.33@270,831.93 331.79,831.93 354.86,855 R32.1@414.47,855
  Top w10: U5.6@270,1363.43 U5.7@270,1343.74 316.26,1343.74 365,1295 365,1210.86 390.86,1185 675,1185 690,1170 690,1115.86 695.86,1110 889.14,1110 895,1115.86 895,1189.37 v1@913.63,1208 ; R33.1@741.25,1221.5 741.25,1217.25 752,1206.5 756.25,1206.5 777.75,1185 890.63,1185 ; v1@920,1208 R3.2@990,1208 R2.2@1095,1208 ; C10.2@1380,956.5 1380,961.5 1468.76,1050.26 1514.28,1050.26 U1.33@1515,1050.98 ; U1.32@1515,1070.67 U1.33@1515,1050.98 ; U1.144@1593.88,1759.79 1593.67,1760 1565,1760 1526.5,1721.5 C6.2@1380,1721.5 1380,1716.5 1350,1686.5 1350,1550 1445,1455 1445,1385 1464.06,1365.94 1605.94,1365.94 1750,1510 v1(1885,1510) ; U1.39@1633.25,913.05 1633.25,977.17 ; v1(1712.37,975) 1710.2,977.17 1633.25,977.17 ; U1.131@1849.79,1759.79 1850.51,1759.06 1850.51,1709.49 1870,1690 v1(1885,1690) 2020,1690 2045.91,1715.91 2045.91,1759.06 U1.121@2046.64,1759.79 2046.64,1818.36 2030,1835 1975,1835 1935,1875 1935,1903.5 C8.2@1933.5,1905 1939.92,1911.42 v1(1939.92,1929.48) ; v1@1902.5,972.5 1889.88,959.88 1889.88,913.77 U1.52@1889.16,913.05 1889.16,855.84 1926.5,818.5 C7.2@1926.5,795 ; v1@1910,980 1983.85,980 1984.42,979.43 2070.57,979.43 2085.28,964.72 2085.28,913.77 U1.62@2086.01,913.05 ; v1(2315,915) 2284.81,915 U1.72@2282.86,913.05 2282.86,862.14 2316.5,828.5 C4.2@2316.5,790 ; C9.2@2515,1233 2469.82,1233 2445.28,1208.46 U1.84@2361.74,1208.46 2275,1208.46 ; C5.2@2515,1438 2513,1440 2490,1440 2475,1425 U1.95@2361.74,1425 2305,1425 2275,1395 2275,1208.46 ; v1(3027.09,2120) R15.1@3073.5,2120 R13.1@3073.5,2187.5 R14.1@3073.5,2255 ; C38.1@3073.5,2030 R16.1@3073.5,1965 R17.1@3073.5,1900 3073.2,1899.7 v1(3025.3,1899.7) 2872.09,1746.5 C1.2@2515,1746.5 2513.5,1745 2490,1745 2425.91,1680.91 U1.108@2361.74,1680.91 2361.02,1680.18 2322.37,1680.18 2070,1427.81 2070,1315 2176.54,1208.46 2275,1208.46 ; v1(3242.09,2105) 3290,2105 J1.4@3290.3,2105.3 ; U1.33@1515,1050.98 1515.72,1050.26 1574.74,1050.26 1633.25,991.75 1633.25,977.17
  Top w19.68: 210,744.9 210,788.94 ; 210,806.99 210,788.94 ; U4.8@744.49,263.43 1016.62,263.43 1016.69,263.36 ; R19.2@770,486.5 R19.2@770,482.25 ; v1(917.86,540.66) 916.68,539.49 U3.8@916.68,456.2 ; U3.3@1016.69,141.24 1016.69,263.36 ; R5.2@3040,1680 3040,1810 3075,1845 3075,1898.5 R17.1@3073.5,1900 ; R1.1@3063.57,1345.72 3065,1344.29 v1(3065,1310) ; IC5.8@3211.73,1050 3213.02,1051.29 3242.55,1051.29 3278.23,1086.97 3278.23,1197.15 ; IC5.5@3211.73,1200 3275.38,1200 3278.23,1197.15 ; C37.2@3277.31,1280 3277.31,1275.76 3278.23,1274.84 3278.23,1197.15 ; C37.2@3278.5,1280 3278.5,1322.43 3280,1323.93 v1(3280,1325) ; 210,788.94 106.58,685.53 106.58,553.49 173.57,486.5 R20.2@522.61,486.5 522.61,482.25 591.36,413.5 C39.1@646.31,413.5 701.25,413.5 R19.2@770,482.25 ; R19.2@770,482.25 796.04,456.2 U3.8@916.68,456.2 ; U3.8@916.68,456.2 U3.7@966.69,456.2 966.69,416.83 1016.69,366.83 1016.69,263.36
  Top w20: 限位开关Z.3@103.94,1911.06 限位开关Y.3@231.81,1911.06 限位开关X.3@359.68,1911.06 464.68,1806.06 舵机.2@558.94,1806.06 舵机2.2@686.81,1806.06 ; U3.3@1016.69,141.24 1016.69,68.31 1030,55 1280,55 JP2.1@1365,140
  Top w30: 舵机2.2@686.81,1806.06 825.75,1945 995,1945 1255,2205 ; M1_X.10@925,2380 1100,2205 1255,2205 ; M2_Y.10@1685,2380 1770,2380 1830,2320 1830,2205 ; M3_Z.10@2445,2380 2270,2205 1860,2205 ; WIFI_UART_JP.6@2855,1905 2860,1905 2920,1965 2920,2152.43 2902.43,2170 2700,2170 2481.5,1951.5 2113.5,1951.5 1860,2205 ; 1255,2205 1830,2205 ; 1830,2205 1860,2205
  Top w31.5: JP2.1@1365,140 1495.82,140 1577,221.18 D2.2@1577,225.12 1577,229.06 1580.94,229.06 1641.5,289.62 C18.1@1641.5,335 C17.1@1641.5,435 1802,435 IC1.2@1811,444 1803.28,451.72 1803.28,526.72 1787.75,542.25 1787.75,575 R4.2@1783.5,575
  Bottom w10: v1(1712.37,975) v1(1900,975) 1960,915 v1(2315,915) ; v1(1885,1510) v1(1885,1690) ; v1(1939.92,1929.48) 1939.92,1989.92 v1(2005,2055) ; v1@3026.2,1900.9 3026.2,2119.1 v1(3027.09,2120) ; v1(3242.09,2105) 3315,2032.09 3315,2010
  Bottom w19.68: v1(917.86,540.66) 917.86,1201.79 920,1203.93 v1(920,1205) ; v1(3065,1310) 3263.93,1310 3278.93,1325 v1(3280,1325) 3280.75,1325.75 3305.75,1325.75 3315,1335
  Bottom w31.5: v2(1590,505) v2(1655,505) ; v2(1720,505) v2(1655,505) ; v1(1930,795) 1930,755 ; WIFI_UART_JP.6@2855,1905 2860,1900 3315,1900 ; M4.8@3387.05,2231.3 3385,2229.25 3385,2080 3315,2010 3315,1900 ; v2(1655,505) 1905,755 1930,755 ; 1930,755 3070,755 3315,1000 3315,1335 3315,1900
5V: C15.1 C16.1 C23.1 C25.2 D1.2 IC1.3 L1.2 Q1.2 R7.1 | length 2067.4
  Top w19.68: C23.1@2116.89,520 2210,520 2417.6,727.6 Q1.2@2505,727.6
  Top w31.5: D1.2@1709.17,225.12 1807.72,225.12 C15.1@1837.83,195 ; C25.2@1975,317 1975,318.38 1974.25,319.13 IC1.3@1869.06,319.13 1869.06,226.23 C15.1@1837.83,195 ; C23.1@2116.89,520 2116.89,226.89 L1.2@2105,215 ; R7.1@2591.25,108 2591.25,66.25 2565,40 2280,40 2158.15,161.85 2148.31,161.85 2105,205.16 L1.2@2105,215 ; C15.1@1837.83,195 C15.1@1837.83,191.5 C16.1@1970,191.5 2081.5,191.5 L1.2@2105,215
5V_USB: Q1.3 USB-UART1.A4 USB-UART1.A9 USB-UART1.B4 USB-UART1.B9 USB.A4 USB.A9 USB.B4 USB.B9 | length 1823.1
  Top w19.68: Q1.3@2603.97,765 2619.72,765 2784.27,929.54 3429.54,929.54 3530,1030 ; 3542.8,1648.65 3486.16,1592 3486.16,1456.98 ; 3552.5,1461.25 3548.9,1457.64 3486.82,1457.64 3486.16,1456.98 ; USB-UART1.B4@3593.95,1214.84 3545.16,1214.84 3486.16,1273.85 3486.16,1456.98 ; 3665,1210 3690,1185 3690,1060 3670,1040
12V: C27.1 C28.2 C29.2 E1.1 E2.1 E3.1 IC4.2 M1_X.16 M2_Y.16 M3_Z.16 PAD.1 R6.2 R11.2 散热风扇1.1 散热风扇.1 激光头.1 | length 10469
  Top w31.5: E1.1@695,2511.89 695,2545.35 810,2660.35 810,2865 M1_X.16@925,2980 ; E2.1@1455,2540.35 1570,2655.35 1570,2860 M2_Y.16@1685,2975 ; E3.1@2215,2540.35 2330,2655.35 2330,2860 M3_Z.16@2445,2975 ; R6.2@2505,624.92 2469.92,624.92 2445,600 2445,545 ; IC4.2@2526.73,435 2463.45,435 2445,453.45 2445,545 ; C27.1@3095,366.37 C28.2@3095,546.92 ; R11.2@3185,546.92 3185,542.67 3167.74,542.67 3166.55,541.48 3100.44,541.48 C28.2@3095,546.92 ; 2445,545 2446.92,546.92 C29.2@3002.5,546.92 C28.2@3095,546.92
  Bottom w31.5: 激光头.1@237.28,2272.72 激光头.1@255,2255 250,2250 195,2250 170,2275 95,2275 PAD.1@90,2280 95,2285 95,2335.48 137.26,2377.74 137.26,2432.74 散热风扇1.1@130,2440 散热风扇.1@130,2690 60,2760 60,3015 120,3075 930,3075 ; M1_X.16@925,2980 930,2985 930,3075 ; M2_Y.16@1685,2980 1680,2985 1680,3075 ; v2(3010,465) v2(3082.5,465) v2(3155,465) 3405,715 3405,1745 3595,1935 3595,2432.5 3660,2497.5 3660,2796.55 3641.55,2815 3470,2815 3450,2835 2660,2835 2521.03,2973.97 2451.03,2973.97 M3_Z.16@2445,2980 2350,3075 1680,3075 ; 930,3075 1680,3075
12V_IN: DC_PWR1.1 R10.2 R11.1 | length 793.4
  Top w31.5: R11.1@3185,619.92 R11.1@3185,620 ; R10.2@3185,738.5 R11.1@3185,620 ; DC_PWR1.1@3688.23,388.62 DC_PWR1.1@3452.01,388.62 3452.01,517.99 3350,620 R11.1@3185,620
BOOT0: JP1.1 R2.1 U1.138 | length 1634.1
  Top w5: v1(927.33,1428.2) 963,1428.2 1039.8,1505 1286.82,1505 1315,1533.18 1315,1728.31 1433.3,1846.62 1672.89,1846.62 1711.99,1807.51 U1.138@1711.99,1759.79
  Top w10: v1(1057.25,1134.24) 1058.01,1135 R2.1@1095,1135 1095,1040 JP1.1@1085,1030
  Bottom w5: v1(927.33,1428.2) 927.33,1316.79 928.57,1315.55 927.77,1314.75
  Bottom w10: 927.33,1316.79 927.33,1264.16 v1(1057.25,1134.24)
BOOT1: JP1.3 R3.1 U1.48 | length 1354.3
  Top w5: v1(950,855) 950,848.07 1030.37,767.7 1776.22,767.7 1785.53,777.02 v1(1811.24,777.02) ; JP1.3@972.21,1030 JP1.3@985,1030 ; v1(1810.42,841.99) U1.48@1810.42,913.05
  Top w10: JP1.3@985,1030 985,1130 R3.1@990,1135
  Bottom w5: v1(950,855) 946,859 946,991 JP1.3@985,1030 ; v1(1810.42,841.99) 1810.83,841.58 1810.83,777.43 v1(1811.24,777.02)
"CH340N D+": IC5.1 USB-UART1.A6 USB-UART1.B6 | length 392.8
  Top w10: IC5.1@3428.27,1050 3492.38,1050 3507.38,1065 v1(3510,1065) ; v1(3510,1150) 3512.62,1150 3517.15,1154.53 USB-UART1.B6@3595.21,1154.53 3595.69,1155 3639.14,1155 3645,1149.14 3645,1121.02 3639.14,1115.16 USB-UART1.A6@3595.21,1115.16
  Bottom w10: v1(3510,1065) v1(3510,1150)
"CH340N D-": IC5.2 USB-UART1.A7 USB-UART1.B7 | length 258.1
  Top w10: IC5.2@3428.27,1100 3540,1100 ; USB-UART1.B7@3595.21,1095.47 3540,1095.47 3540,1128.98 3545.86,1134.84 USB-UART1.A7@3595.21,1134.84
FAN_GND: Q2.3 散热风扇1.2 散热风扇.2 | length 1329.2
  Top w19.68: 散热风扇1.2@230,2440 散热风扇.2@230,2690 ; v1(910,1865) 911.07,1865 912.68,1863.38 Q2.3@950,1863.38
  Bottom w19.68: 散热风扇1.2@230,2440 236.34,2433.66 456.34,2433.66 525,2365 525,2159.53 640,2044.53 697.18,1987.34 757.18,1987.34 759.53,1985 760,1985 880,1865 v1(910,1865)
FAN_SW: R22.1 U1.74 | length 2112.7
  Top w5: R22.1@1075,1777 1122,1777 v1(1335,1990) ; v1(1736.4,1351.73) 1738.26,1349.87 1738.26,1336.27 2062.91,1011.61 U1.74@2361.74,1011.61
  Bottom w5: v1(1335,1990) 1491.05,1990 1631.46,1849.59 1631.46,1813.54 1819.31,1625.69 1819.31,1390.82 1780.22,1351.73 v1(1736.4,1351.73)
FMC_3V3: 
FSMC_A0: U1.10
FSMC_A1: U1.11
FSMC_A2: U1.12
FSMC_A3: U1.13
FSMC_A4: U1.14
FSMC_A5: U1.15
FSMC_A6: U1.50
FSMC_A7: U1.53
FSMC_A8: U1.54
FSMC_A9: U1.55
FSMC_A10: U1.56 U5.10 | length 2284.7
  Top w5: v1(211.28,1283.34) 211.95,1284.01 269.33,1284.01 U5.10@270,1284.68 ; v1(410,1095) 435,1070 751.57,1070 890,931.57 890,875 1007.3,757.7 1963.56,757.7 1997.27,791.41 1997.27,827.73 1967.9,857.1 U1.56@1967.9,913.05
  Bottom w5: v1(211.28,1283.34) 211.28,1213.72 327.74,1097.26 407.74,1097.26 v1(410,1095)
FSMC_A11: U1.57
FSMC_A12: U1.87
FSMC_A13: U1.88
FSMC_A14: U1.89
FSMC_A15: U1.90
FSMC_A16: U1.80
FSMC_A17: U1.81
FSMC_A18: U1.82
FSMC_D0: U1.85 U5.17 | length 3410.3
  Top w5: v1(190,1165) 208.11,1146.89 U5.17@270,1146.89 ; v1(459.87,924.55) 713.17,924.55 760,877.72 760,821.15 953.45,627.7 2255.13,627.7 2585,957.57 2585,1240 2555,1270 2489.14,1270 2447.29,1228.15 U1.85@2361.74,1228.15
  Bottom w5: v1(190,1165) 430.45,924.55 v1(459.87,924.55)
FSMC_D1: U1.86 U5.18 | length 3390.6
  Top w5: v1(190,1130) 191.4,1128.6 268.6,1128.6 U5.18@270,1127.2 ; v1(415.77,908.01) 418.54,905.24 662.62,905.24 750,817.85 750,817.01 949.31,617.7 2259.27,617.7 2595,953.43 2595,1245 2560,1280 2485,1280 2452.83,1247.83 U1.86@2361.74,1247.83
  Bottom w5: v1(190,1130) 411.99,908.01 v1(415.77,908.01)
FSMC_D2: U1.114 U5.19 | length 3067.1
  Top w5: U5.19@270,1107.52 155.92,1107.52 56.29,1207.14 56.29,1439.09 56.19,1439.2 56.19,1581.98 93.13,1618.93 339.48,1618.93 345.23,1613.18 360.02,1613.18 v1(363.58,1609.61) ; v1(469.13,1619.52) 799.67,1619.52 840.15,1660 1130,1660 1450,1980 2041.45,1980 2183.75,1837.7 2183.75,1760.47 U1.114@2184.43,1759.79
  Bottom w5: v1(363.58,1609.61) 365.91,1609.61 375.82,1619.52 v1(469.13,1619.52)
FSMC_D3: U1.115 U5.20 | length 3100.3
  Top w5: U5.20@270,1087.83 144.7,1087.83 46.29,1186.24 46.29,1434.95 46.19,1435.05 46.19,1586.13 88.99,1628.93 429.74,1628.93 458.45,1600.21 794.5,1600.21 844.29,1650 1135.86,1650 1454.64,1968.79 2038.52,1968.79 2164.75,1842.56 U1.115@2164.75,1759.79
FSMC_D4: U1.58 U5.21 | length 2045.3
  Top w5: U5.21@270,1068.15 368.27,1068.15 376.42,1060 747.43,1060 880,927.43 880,870.86 1003.15,747.7 1967.7,747.7 2007.27,787.27 U1.58@2007.27,913.05
FSMC_D5: U1.59 U5.22 | length 2063.6
  Top w5: U5.22@270,1048.46 271.54,1050 743.28,1050 870,923.28 870,866.72 999.01,737.7 1972.7,737.7 2026.95,791.95 U1.59@2026.95,913.05
FSMC_D6: U1.60 U5.23 | length 2088.8
  Top w5: U5.23@270,1028.78 358.07,1028.78 369.29,1040 454.94,1040 ; 455,1040 739.14,1040 860,919.14 860,862.57 994.87,727.7 1977.89,727.7 2046.64,796.46 U1.60@2046.64,913.05
FSMC_D7: U1.63 U5.24 | length 2129.7
  Top w5: U5.24@270,1009.09 352.53,1009.09 373.43,1030 454.96,1030 ; 455,1030 735,1030 850,915 850,858.43 990.73,717.7 1982.03,717.7 2105.69,841.37 U1.63@2105.69,913.05
FSMC_D8: U1.64 U5.25 | length 2162.4
  Top w5: U5.25@270,989.41 346.98,989.41 377.57,1020 730.86,1020 840,910.86 840,854.29 986.58,707.7 1999.87,707.7 2125.38,833.22 U1.64@2125.38,913.05
FSMC_D9: U1.65 U5.26 | length 2195
  Top w5: U5.26@270,969.72 341.44,969.72 381.72,1010 726.72,1010 830,906.72 830,850.15 982.44,697.7 2017.7,697.7 2145.06,825.06 U1.65@2145.06,913.05
FSMC_D10: U1.66 U5.27 | length 2227.6
  Top w5: U5.27@270,950.04 335.9,950.04 385.86,1000 722.57,1000 820,902.57 820,846.01 978.3,687.7 2035.54,687.7 2164.75,816.91 U1.66@2164.75,913.05
FSMC_D11: U1.67 U5.28 | length 2260.2
  Top w5: U5.28@270,930.35 330.35,930.35 390,990 454.96,990 ; 455,990 718.43,990 810,898.43 810,841.86 974.16,677.7 2053.38,677.7 2184.43,808.76 U1.67@2184.43,913.05
FSMC_D12: U1.68 U5.29 | length 2292.8
  Top w5: U5.29@270,910.67 325.67,910.67 395,980 714.29,980 800,894.29 800,837.72 970.02,667.7 2071.22,667.7 2204.12,800.6 U1.68@2204.12,913.05
FSMC_D13: U1.77 U5.30 | length 2804.3
  Top w5: U5.30@270,890.98 320.98,890.98 400,970 710.15,970 790,890.15 790,833.58 965.87,657.7 2242.7,657.7 2510,925 2510,1010 2449.33,1070.67 U1.77@2361.74,1070.67
FSMC_D14: U1.78 U5.31 | length 2846
  Top w5: U5.31@270,871.3 321.3,871.3 410,960 706.01,960 780,886.01 780,829.44 961.73,647.7 2246.85,647.7 2520,920.86 2520,1015 2444.65,1090.35 U1.78@2361.74,1090.35
FSMC_D15: U1.79 U5.32 | length 2887.7
  Top w5: U5.32@270,851.61 316.61,851.61 415,950 701.86,950 770,881.86 770,825.29 957.59,637.7 2250.99,637.7 2530,916.72 2530,1020 2439.96,1110.04 U1.79@2361.74,1110.04
FSMC_NBL0: U1.141
FSMC_NBL1: U1.142
FSMC_NE3: U1.125
FSMC_NE4: U1.127 U5.9 | length 2442.6
  Top w5: U5.9@270,1304.37 230.95,1304.37 96.29,1439.03 96.29,1455.66 96.19,1455.76 96.19,1562.32 111.25,1577.38 287.19,1577.38 308.23,1556.34 379.64,1556.34 400.68,1577.38 428.82,1577.38 435.98,1570.21 806.93,1570.21 856.72,1620 1148.28,1620 1428.28,1900 1850,1900 1928.53,1821.47 U1.127@1928.53,1759.79
FSMC_NOE: U1.118 U5.12 | length 2815.1
  Top w5: U5.12@270,1245.31 202.41,1245.31 76.29,1371.43 76.29,1447.37 76.19,1447.48 76.19,1570.61 76.29,1570.71 76.29,1573.81 100.47,1597.98 299.37,1597.98 321.01,1576.34 360.7,1576.34 382.33,1597.98 442.26,1597.98 450.03,1590.21 798.64,1590.21 848.43,1640 1140,1640 1458.79,1958.79 2027.93,1958.79 2105.69,1881.02 U1.118@2105.69,1759.79
FSMC_NWE: U1.119 U5.11 | length 2755
  Top w5: U5.11@270,1265 269.03,1264.03 203.28,1264.03 86.29,1381.01 86.29,1451.52 86.19,1451.62 86.19,1566.46 86.29,1566.57 86.29,1569.66 104.61,1587.98 293.39,1587.98 315.03,1566.34 370.18,1566.34 391.81,1587.98 438.12,1587.98 445.89,1580.21 802.79,1580.21 852.57,1630 1144.14,1630 1462.93,1948.79 2023.79,1948.79 2086.01,1886.57 U1.119@2086.01,1759.79